# Altium PCB miniBackplane.PcbDoc (part 23 of 24)
Units mil, origin at the board's own origin, x right, y up, seen from the top; angles counter-clockwise.
Board outline 17285.63 x 8582.68 mil, 6 copper layers (Top Layer, Mid-Layer 1, GND, PWR, Mid-Layer 2, Bottom Layer), stack 62.362 mil thick; 519 components, 474 nets, 2434 pads, 1493 vias.
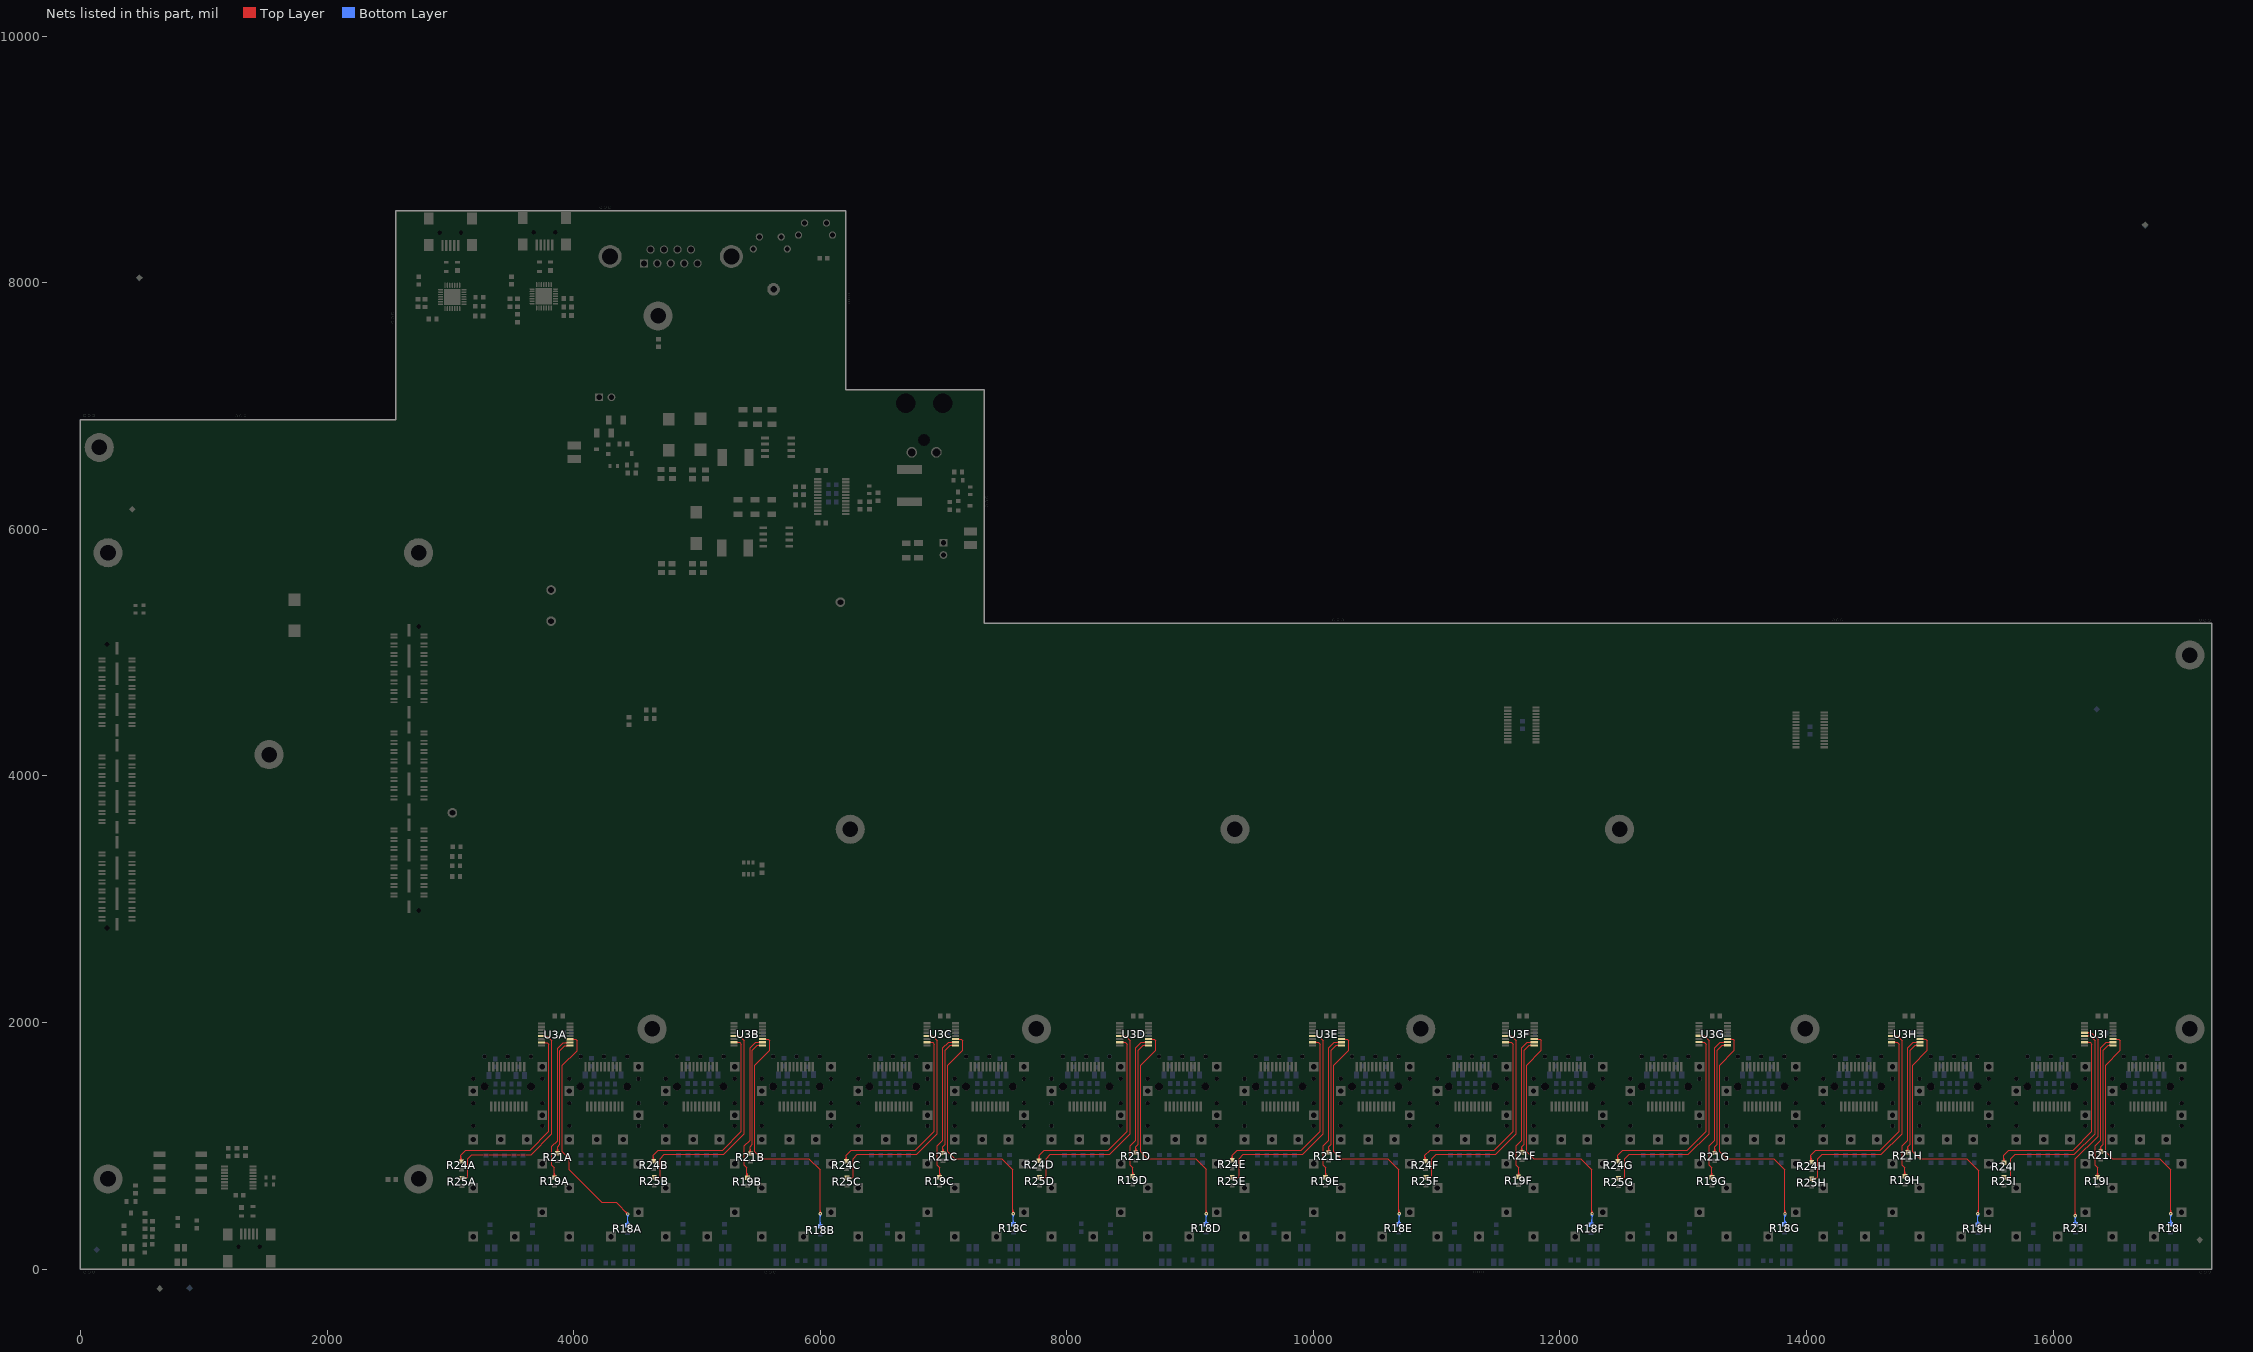
[diagram p27: the nets of this part, all layers, seen from the top]

## Via types
v1: diameter 27.56, hole 11.81, Top Layer to Bottom Layer, tented both sides, 1347 vias
v2: diameter 23.62, hole 11.81, Top Layer to Bottom Layer, tented both sides, 146 vias

## Nets (pads, with @x,y where several pads share a name; then routed paths per layer and width w, separated by ;. In a path a pad name is that pad's centre, name@x,y a point inside that pad or via, vN(x,y) a via of type N, cw(c..) or ccw(c..) an arc to the next point about the centre after c; other vN are vias at no path point) (continued)
WR_LINK0_LED_LINKI: R23I.1 U3I.4 | length 1983.8
  Top Layer w7.87: v1@16180.69,437.01 16180.69,893.62 16365.69,1078.62 16365.69,1863.62 16310.69,1918.62 U3I.4@16265.69,1918.62 ; 16180.69,456.83 ccw(c16204.45,456.83) 16187.65,440.03 cw(c16204.45,456.83) 16180.69,456.83 ; 16180.69,456.83 cw(c16156.93,456.83) 16173.73,440.03 ccw(c16156.93,456.83) 16180.69,456.83 ; U3I.4@16277.72,1912.94 cw(c16291.44,1899.21) 16291.44,1918.62 ccw(c16291.44,1899.21) U3I.4@16277.72,1912.94
  Bottom Layer w7.87: R23I.1@16180.69,359.57 v1(16180.69,433.07) ; 16180.69,409.31 ccw(c16156.93,409.31) 16173.73,426.11 cw(c16156.93,409.31) 16180.69,409.31 ; 16180.69,409.31 cw(c16204.45,409.31) 16187.65,426.11 ccw(c16204.45,409.31) 16180.69,409.31 ; R23I.1@16170.43,371.96 ccw(c16145.65,396.73) 16180.69,396.73 cw(c16145.65,396.73) R23I.1@16170.43,371.96 ; 16180.69,394.22 ccw(c16212.19,394.22) 16189.92,371.96 cw(c16212.19,394.22) 16180.69,394.22
WR_LINK0_LED_SYNCEDA: R24A.1 U3A.7 | length 1791.3
  Top Layer w7.87: R24A.1@3084.67,868.46 3084.67,922.84 3125.72,963.9 3646.61,963.9 3799.67,1116.96 3799.67,1821.96 3784.67,1836.96 U3A.7@3754.67,1836.96 ; R24A.1@3078.85,882.11 ccw(c3064.82,896.14) 3084.67,896.14 cw(c3064.82,896.14) R24A.1@3078.85,882.11 ; 3084.67,896.11 ccw(c3112.34,896.11) 3092.77,876.54 cw(c3112.34,896.11) 3084.67,896.11 ; 3084.67,915.11 ccw(c3131.35,915.11) 3098.34,882.11 cw(c3131.35,915.11) 3084.67,915.11 ; U3A.7@3761.69,1834.5 cw(c3767.62,1828.57) 3767.62,1836.96 ccw(c3767.62,1828.57) U3A.7@3761.69,1834.5 ; U3A.7@3761.69,1841.46 ccw(c3772.56,1852.34) 3772.56,1836.96 cw(c3772.56,1852.34) U3A.7@3761.69,1841.46
WR_LINK0_LED_SYNCEDB: R24B.1 U3B.7 | length 1780.5
  Top Layer w7.87: R24B.1@4646.13,870.11 4646.13,924.5 4687.18,965.55 5208.06,965.55 5361.13,1118.61 5361.13,1823.61 5346.13,1838.61 U3B.7@5316.13,1838.61 ; R24B.1@4638.3,883.76 ccw(c4619.42,902.64) 4646.13,902.64 cw(c4619.42,902.64) R24B.1@4638.3,883.76 ; 4646.13,892.91 ccw(c4666.94,892.91) 4652.22,878.19 cw(c4666.94,892.91) 4646.13,892.91 ; 4646.13,911.92 ccw(c4685.95,911.92) 4657.79,883.76 cw(c4685.95,911.92) 4646.13,911.92 ; U3B.7@5323.15,1836.16 cw(c5329.08,1830.23) 5329.08,1838.61 ccw(c5329.08,1830.23) U3B.7@5323.15,1836.16 ; U3B.7@5323.15,1843.12 ccw(c5334.02,1853.99) 5334.02,1838.61 cw(c5334.02,1853.99) U3B.7@5323.15,1843.12
WR_LINK0_LED_SYNCEDC: R24C.1 U3C.7 | length 1747.8
  Top Layer w7.87: R24C.1@6211.13,870.12 6211.13,924.5 6252.18,965.56 6773.06,965.56 6926.13,1118.62 6926.13,1823.62 6911.13,1838.62 U3C.7@6881.13,1838.62 ; R24C.1@6201.3,883.77 ccw(c6177.56,907.5) 6211.13,907.5 cw(c6177.56,907.5) R24C.1@6201.3,883.77 ; 6211.13,907.08 ccw(c6244.1,907.08) 6220.78,883.77 cw(c6244.1,907.08) 6211.13,907.08 ; U3C.7@6888.15,1836.17 cw(c6894.08,1830.24) 6894.08,1838.62 ccw(c6894.08,1830.24) U3C.7@6888.15,1836.17 ; U3C.7@6888.15,1843.13 ccw(c6899.02,1854) 6899.02,1838.62 cw(c6899.02,1854) U3C.7@6888.15,1843.13
WR_LINK0_LED_SYNCEDD: R24D.1 U3D.7 | length 1747.8
  Top Layer w7.87: R24D.1@7776.13,870.12 7776.13,924.5 7817.18,965.56 8338.06,965.56 8491.13,1118.62 8491.13,1823.62 8476.13,1838.62 U3D.7@8446.13,1838.62 ; R24D.1@7766.26,887.7 ccw(c7742.43,911.53) 7776.13,911.53 cw(c7742.43,911.53) R24D.1@7766.26,887.7 ; 7776.13,910.92 ccw(c7808.96,910.92) 7785.74,887.7 cw(c7808.96,910.92) 7776.13,910.92 ; U3D.7@8453.15,1836.17 cw(c8459.08,1830.24) 8459.08,1838.62 ccw(c8459.08,1830.24) U3D.7@8453.15,1836.17 ; U3D.7@8453.15,1843.13 ccw(c8464.02,1854) 8464.02,1838.62 cw(c8464.02,1854) U3D.7@8453.15,1843.13
WR_LINK0_LED_SYNCEDE: R24E.1 U3E.7 | length 1747.8
  Top Layer w7.87: R24E.1@9341.13,870.12 9341.13,924.5 9382.18,965.56 9903.06,965.56 10056.13,1118.62 10056.13,1823.62 10041.13,1838.62 U3E.7@10011.13,1838.62 ; R24E.1@9331.22,891.64 ccw(c9307.29,915.56) 9341.13,915.56 cw(c9307.29,915.56) R24E.1@9331.22,891.64 ; 9341.13,914.77 ccw(c9373.83,914.77) 9350.7,891.64 cw(c9373.83,914.77) 9341.13,914.77 ; U3E.7@10018.15,1836.17 cw(c10024.08,1830.24) 10024.08,1838.62 ccw(c10024.08,1830.24) U3E.7@10018.15,1836.17 ; U3E.7@10018.15,1843.13 ccw(c10029.02,1854) 10029.02,1838.62 cw(c10029.02,1854) U3E.7@10018.15,1843.13
WR_LINK0_LED_SYNCEDF: R24F.1 U3F.7 | length 1779.7
  Top Layer w7.87: R24F.1@10905.69,870.12 10905.69,924.5 10946.75,965.56 11467.63,965.56 11620.69,1118.62 11620.69,1823.62 11605.69,1838.62 U3F.7@11575.69,1838.62 ; R24F.1@10897.71,883.77 ccw(c10878.45,903.03) 10905.69,903.03 cw(c10878.45,903.03) R24F.1@10897.71,883.77 ; 10905.69,892.54 ccw(c10925.97,892.54) 10911.63,878.2 cw(c10925.97,892.54) 10905.69,892.54 ; 10905.69,911.55 ccw(c10944.98,911.55) 10917.2,883.77 cw(c10944.98,911.55) 10905.69,911.55 ; U3F.7@11582.72,1836.17 cw(c11588.65,1830.24) 11588.65,1838.62 ccw(c11588.65,1830.24) U3F.7@11582.72,1836.17 ; U3F.7@11582.72,1843.13 ccw(c11593.59,1854) 11593.59,1838.62 cw(c11593.59,1854) U3F.7@11582.72,1843.13
WR_LINK0_LED_SYNCEDG: R24G.1 U3G.7 | length 1752.5
  Top Layer w7.87: R24G.1@12470.69,870.12 12470.69,924.5 12511.75,965.56 13032.63,965.56 13185.69,1118.62 13185.69,1823.62 13170.69,1838.62 U3G.7@13140.69,1838.62 ; U3G.7@13151.83,1839.01 cw(c13156.05,1836.48) 13158.51,1840.74 ; R24G.1@12460.71,883.77 ccw(c12436.59,907.88) 12470.69,907.88 cw(c12436.59,907.88) R24G.1@12460.71,883.77 ; 12470.69,906.7 ccw(c12503.13,906.7) 12480.19,883.77 cw(c12503.13,906.7) 12470.69,906.7 ; U3G.7@13151.09,1845.02 ccw(c13166.55,1860.48) 13166.55,1838.62 cw(c13166.55,1860.48) U3G.7@13151.09,1845.02
WR_LINK0_LED_SYNCEDH: R24H.1 U3H.7 | length 1800.4
  Top Layer w7.87: R24H.1@14035.69,870.12 14035.69,924.5 14076.75,965.56 14597.63,965.56 14750.69,1118.62 14750.69,1823.62 14735.69,1838.62 U3H.7@14705.69,1838.62 ; R24H.1@14031.57,875.89 ccw(c14021.62,885.84) 14035.69,885.84 cw(c14021.62,885.84) R24H.1@14031.57,875.89 ; 14035.69,893.98 ccw(c14069.15,893.98) 14045.49,870.33 cw(c14069.15,893.98) 14035.69,893.98 ; 14035.69,912.99 ccw(c14088.15,912.99) 14051.06,875.89 cw(c14088.15,912.99) 14035.69,912.99 ; U3H.7@14712.72,1836.17 cw(c14718.65,1830.24) 14718.65,1838.62 ccw(c14718.65,1830.24) U3H.7@14712.72,1836.17 ; U3H.7@14712.72,1843.13 ccw(c14723.59,1854) 14723.59,1838.62 cw(c14723.59,1854) U3H.7@14712.72,1843.13
WR_LINK0_LED_SYNCEDI: R24I.1 U3I.7 | length 1747.8
  Top Layer w7.87: R24I.1@15600.69,870.12 15600.69,924.5 15641.75,965.56 16162.63,965.56 16315.69,1118.62 16315.69,1823.62 16300.69,1838.62 U3I.7@16270.69,1838.62 ; R24I.1@15591.69,871.96 ccw(c15569.95,893.69) 15600.69,893.69 cw(c15569.95,893.69) R24I.1@15591.69,871.96 ; 15600.69,897.27 ccw(c15636.49,897.27) 15611.18,871.96 cw(c15636.49,897.27) 15600.69,897.27 ; U3I.7@16277.72,1836.17 cw(c16283.65,1830.24) 16283.65,1838.62 ccw(c16283.65,1830.24) U3I.7@16277.72,1836.17 ; U3I.7@16277.72,1843.13 ccw(c16288.59,1854) 16288.59,1838.62 cw(c16288.59,1854) U3I.7@16277.72,1843.13
WR_LINK0_LED_WRMODEA: R25A.1 U3A.5 | length 1949.4
  Top Layer w7.87: R25A.1@3085.35,735.87 3127.69,735.87 ; U3A.5@3738.53,1889.17 3787.46,1889.17 ; 3789.67,1886.96 3824.67,1851.96 3824.67,1096.96 3656.61,928.9 3175.72,928.9 3140.72,893.9 3140.72,748.9 3127.69,735.87 ; 3127.69,735.87 cw(c3127.69,759.98) 3107.83,746.31 ccw(c3127.69,759.98) 3127.69,735.87 ; 3770.09,1889.17 ccw(c3770.09,1877.28) 3761.69,1885.69 cw(c3770.09,1877.28) 3770.09,1889.17 ; 3770.09,1889.17 cw(c3770.09,1901.05) 3761.69,1892.65 ccw(c3770.09,1901.05) 3770.09,1889.17 ; R25A.1@3106.22,728.76 cw(c3123.37,711.61) 3123.37,735.87 ccw(c3123.37,711.61) R25A.1@3106.22,728.76
WR_LINK0_LED_WRMODEB: R25B.1 U3B.5 | length 1970.6
  Top Layer w7.87: R25B.1@4646.81,737.52 4689.15,737.52 ; U3B.5@5299.98,1890.82 5348.92,1890.82 ; 5351.13,1888.61 5386.13,1853.61 5386.13,1098.61 5218.06,930.55 4737.18,930.55 4702.18,895.55 4702.18,750.55 4689.15,737.52 ; 4689.15,737.52 cw(c4689.15,761.04) 4668.2,750.35 ccw(c4689.15,761.04) 4689.15,737.52 ; 5331.55,1890.82 ccw(c5331.55,1878.94) 5323.15,1887.34 cw(c5331.55,1878.94) 5331.55,1890.82 ; 5331.55,1890.82 cw(c5331.55,1902.7) 5323.15,1894.3 ccw(c5331.55,1902.7) 5331.55,1890.82 ; R25B.1@4661.18,746.78 ccw(c4676.29,754.48) 4676.29,737.52 cw(c4676.29,754.48) R25B.1@4661.18,746.78 ; R25B.1@4665.66,734.35 cw(c4673.31,726.7) 4673.31,737.52 ccw(c4673.31,726.7) R25B.1@4665.66,734.35
WR_LINK0_LED_WRMODEC: R25C.1 U3C.5 | length 1990.4
  Top Layer w7.87: R25C.1@6211.81,737.53 6254.15,737.53 ; U3C.5@6864.98,1890.83 6913.92,1890.83 ; 6916.13,1888.62 6951.13,1853.62 6951.13,1098.62 6783.06,930.56 6302.18,930.56 6267.18,895.56 6267.18,750.56 6254.15,737.53 ; 6254.15,737.53 cw(c6254.15,769.77) 6229.46,749.03 ccw(c6254.15,769.77) 6254.15,737.53 ; 6896.55,1890.83 ccw(c6896.55,1878.95) 6888.15,1887.35 cw(c6896.55,1878.95) 6896.55,1890.83 ; 6896.55,1890.83 cw(c6896.55,1902.71) 6888.15,1894.31 ccw(c6896.55,1902.71) 6896.55,1890.83 ; R25C.1@6223.43,743.96 ccw(c6237.25,755.57) 6237.25,737.53 cw(c6237.25,755.57) R25C.1@6223.43,743.96 ; R25C.1@6228.66,730.42 cw(c6245.81,713.27) 6245.81,737.53 ccw(c6245.81,713.27) R25C.1@6228.66,730.42
WR_LINK0_LED_WRMODED: R25D.1 U3D.5 | length 1985
  Top Layer w7.87: R25D.1@7776.81,737.53 7819.15,737.53 ; U3D.5@8429.98,1890.83 8478.92,1890.83 ; 8481.13,1888.62 8516.13,1853.62 8516.13,1098.62 8348.06,930.56 7867.18,930.56 7832.18,895.56 7832.18,750.56 7819.15,737.53 ; 7819.15,737.53 cw(c7819.15,768) 7793.5,751.54 ccw(c7819.15,768) 7819.15,737.53 ; 8461.55,1890.83 ccw(c8461.55,1878.95) 8453.15,1887.35 cw(c8461.55,1878.95) 8461.55,1890.83 ; 8461.55,1890.83 cw(c8461.55,1902.71) 8453.15,1894.31 ccw(c8461.55,1902.71) 8461.55,1890.83 ; R25D.1@7786.88,747.29 ccw(c7804.74,758.75) 7804.74,737.53 cw(c7804.74,758.75) R25D.1@7786.88,747.29 ; R25D.1@7791.65,734.36 cw(c7799.3,726.71) 7799.3,737.53 ccw(c7799.3,726.71) R25D.1@7791.65,734.36
WR_LINK0_LED_WRMODEE: R25E.1 U3E.5 | length 1992.1
  Top Layer w7.87: R25E.1@9341.81,737.53 9384.15,737.53 ; U3E.5@9994.98,1890.83 10043.92,1890.83 ; 10046.13,1888.62 10081.13,1853.62 10081.13,1098.62 9913.06,930.56 9432.18,930.56 9397.18,895.56 9397.18,750.56 9384.15,737.53 ; 9384.15,737.53 cw(c9384.15,771.77) 9356.16,752.04 ccw(c9384.15,771.77) 9384.15,737.53 ; 10026.55,1890.83 ccw(c10026.55,1878.95) 10018.15,1887.35 cw(c10026.55,1878.95) 10026.55,1890.83 ; 10026.55,1890.83 cw(c10026.55,1902.71) 10018.15,1894.31 ccw(c10026.55,1902.71) 10026.55,1890.83 ; R25E.1@9349.72,747.5 ccw(c9368.96,761.07) 9368.96,737.53 cw(c9368.96,761.07) R25E.1@9349.72,747.5 ; R25E.1@9354.64,734.36 cw(c9362.29,726.71) 9362.29,737.53 ccw(c9362.29,726.71) R25E.1@9354.64,734.36
WR_LINK0_LED_WRMODEF: R25F.1 U3F.5 | length 1971.1
  Top Layer w7.87: R25F.1@10906.38,737.53 10948.72,737.53 ; U3F.5@11559.55,1890.83 11608.49,1890.83 ; 11610.69,1888.62 11645.69,1853.62 11645.69,1098.62 11477.63,930.56 10996.75,930.56 10961.75,895.56 10961.75,750.56 10948.72,737.53 ; 10948.71,737.53 cw(c10948.71,761.3) 10927.58,750.41 ccw(c10948.71,761.3) 10948.71,737.53 ; 11591.12,1890.83 ccw(c11591.12,1878.95) 11582.72,1887.35 cw(c11591.12,1878.95) 11591.12,1890.83 ; 11591.12,1890.83 cw(c11591.12,1902.71) 11582.72,1894.31 ccw(c11591.12,1902.71) 11591.12,1890.83 ; R25F.1@10920.58,746.81 ccw(c10935.8,754.65) 10935.8,737.53 cw(c10935.8,754.65) R25F.1@10920.58,746.81 ; R25F.1@10925.07,734.36 cw(c10932.72,726.71) 10932.72,737.53 ccw(c10932.72,726.71) R25F.1@10925.07,734.36
WR_LINK0_LED_WRMODEG: R25G.1 U3G.5 | length 1958.2
  Top Layer w7.87: R25G.1@12471.38,737.53 12513.72,737.53 ; U3G.5@13124.55,1890.83 13173.49,1890.83 ; 13175.69,1888.62 13210.69,1853.62 13210.69,1098.62 13042.63,930.56 12561.75,930.56 12526.75,895.56 12526.75,750.56 12513.72,737.53 ; 12513.71,737.53 ccw(c12513.71,702.23) 12488.26,726.68 cw(c12513.71,702.23) 12513.71,737.53 ; R25G.1@12488.07,745.97 ccw(c12508.45,766.36) 12508.45,737.53 cw(c12508.45,766.36) R25G.1@12488.07,745.97 ; U3G.5@13151.09,1896.2 ccw(c13164.08,1909.19) 13164.08,1890.83 cw(c13164.08,1909.19) U3G.5@13151.09,1896.2
WR_LINK0_LED_WRMODEH: R25H.1 U3H.5 | length 1975.8
  Top Layer w7.87: R25H.1@14036.38,737.53 14078.72,737.53 ; U3H.5@14689.55,1890.83 14738.49,1890.83 ; 14740.69,1888.62 14775.69,1853.62 14775.69,1098.62 14607.63,930.56 14126.75,930.56 14091.75,895.56 14091.75,750.56 14078.72,737.53 ; 14078.72,737.53 ccw(c14078.72,712.35) 14057.09,725.24 cw(c14078.72,712.35) 14078.72,737.53 ; 14721.12,1890.83 ccw(c14721.12,1878.95) 14712.72,1887.35 cw(c14721.12,1878.95) 14721.12,1890.83 ; 14721.12,1890.83 cw(c14721.12,1902.71) 14712.72,1894.31 ccw(c14721.12,1902.71) 14721.12,1890.83 ; R25H.1@14050.33,729.27 cw(c14064.86,720.61) 14064.86,737.53 ccw(c14064.86,720.61) R25H.1@14050.33,729.27 ; R25H.1@14055,742.03 ccw(c14065.88,752.92) 14065.88,737.53 cw(c14065.88,752.92) R25H.1@14055,742.03
WR_LINK0_LED_WRMODEI: R25I.1 U3I.5 | length 1988.9
  Top Layer w7.87: R25I.1@15601.38,737.53 15643.72,737.53 ; U3I.5@16254.55,1890.83 16303.49,1890.83 ; 16305.69,1888.62 16340.69,1853.62 16340.69,1098.62 16172.63,930.56 15691.75,930.56 15656.75,895.56 15656.75,750.56 15643.72,737.53 ; 15643.71,737.53 cw(c15643.71,770.04) 15616.78,751.82 ccw(c15643.71,770.04) 15643.71,737.53 ; 16286.12,1890.83 ccw(c16286.12,1878.95) 16277.72,1887.35 cw(c16286.12,1878.95) 16286.12,1890.83 ; 16286.12,1890.83 cw(c16286.12,1902.71) 16277.72,1894.31 ccw(c16286.12,1902.71) 16286.12,1890.83 ; R25I.1@15610.26,747.41 ccw(c15628.88,760.01) 15628.88,737.53 cw(c15628.88,760.01) R25I.1@15610.26,747.41 ; R25I.1@15615.11,734.36 cw(c15622.76,726.71) 15622.76,737.53 ccw(c15622.76,726.71) R25I.1@15615.11,734.36
WR_LINK1_LED_LINKA: R18A.1 U3A.11 | length 2234.8
  Top Layer w7.87: U3A.11@3970.81,1863.57 4018.05,1863.57 4029.67,1851.96 4029.67,1771.96 3909.67,1651.96 3909.67,949.95 3965.72,893.9 3965.72,804.29 4228.05,541.96 4344.12,541.96 v1(4439.67,446.41) ; 4424.19,460.4 cw(c4419.33,442.24) v1@4437.74,446.01 ; 4425.68,461.89 ccw(c4443.83,466.75) v1@4440.06,448.34 ; 4002.38,1863.57 ccw(c4002.38,1851.69) 3993.98,1860.09 cw(c4002.38,1851.69) 4002.38,1863.57 ; 4002.38,1863.57 cw(c4002.38,1875.46) 3993.98,1867.05 ccw(c4002.38,1875.46) 4002.38,1863.57 ; 4422.87,463.21 ccw(c4439.67,480.01) 4439.67,456.25 cw(c4439.67,480.01) 4422.87,463.21 ; 4422.87,463.21 cw(c4406.06,446.41) 4429.83,446.41 ccw(c4406.06,446.41) 4422.87,463.21
  Bottom Layer w7.87: R18A.1@4439.67,357.91 v1(4439.67,446.41) v1@4444.67,451.41 ; 4439.67,422.65 ccw(c4415.91,422.65) 4432.71,439.45 cw(c4415.91,422.65) 4439.67,422.65 ; 4439.67,422.65 cw(c4463.43,422.65) 4446.63,439.45 ccw(c4463.43,422.65) 4439.67,422.65 ; R18A.1@4429.25,366.36 ccw(c4404.09,391.52) 4439.67,391.52 cw(c4404.09,391.52) R18A.1@4429.25,366.36 ; 4439.67,388.25 ccw(c4470.62,388.25) 4448.74,366.36 cw(c4470.62,388.25) 4439.67,388.25
WR_LINK1_LED_LINKB: R18B.1 U3B.11 | length 2351
  Top Layer w7.87: U3B.11@5532.27,1865.23 5579.51,1865.23 5591.13,1853.61 5591.13,1773.61 5471.13,1653.61 5471.13,951.61 5527.18,895.55 5909.19,895.55 6000,804.74 6000,454.19 v1@6006.13,448.06 ; 5563.83,1865.23 ccw(c5563.83,1853.35) 5555.43,1861.75 cw(c5563.83,1853.35) 5563.83,1865.23 ; 5563.83,1865.23 cw(c5563.83,1877.11) 5555.43,1868.71 ccw(c5563.83,1877.11) 5563.83,1865.23 ; v1@5994.17,455.02 ccw(c5980.08,469.11) 6000,469.11 cw(c5980.08,469.11) v1@5994.17,455.02 ; 6000,474.54 ccw(c6027.61,474.54) 6008.09,455.02 cw(c6027.61,474.54) 6000,474.54
  Bottom Layer w7.87: R18B.1@6001.13,359.56 v1(6001.13,448.06) v1@6006.13,453.06 ; 6001.13,424.3 ccw(c5977.36,424.3) 5994.17,441.1 cw(c5977.36,424.3) 6001.13,424.3 ; 6001.13,424.3 cw(c6024.89,424.3) 6008.09,441.1 ccw(c6024.89,424.3) 6001.13,424.3 ; R18B.1@5990.67,356.2 ccw(c5965.41,381.45) 6001.13,381.45 cw(c5965.41,381.45) R18B.1@5990.67,356.2 ; 6001.13,377.99 ccw(c6031.95,377.99) 6010.15,356.2 cw(c6031.95,377.99) 6001.13,377.99
WR_LINK1_LED_LINKC: R18C.1 U3C.11 | length 2351
  Top Layer w7.87: U3C.11@7097.27,1865.24 7144.51,1865.24 7156.13,1853.62 7156.13,1773.62 7036.13,1653.62 7036.13,951.61 7092.18,895.56 7474.19,895.56 7562.99,806.76 7562.99,456.2 v1@7571.13,448.07 ; 7128.83,1865.24 ccw(c7128.83,1853.36) 7120.43,1861.76 cw(c7128.83,1853.36) 7128.83,1865.24 ; 7128.83,1865.24 cw(c7128.83,1877.12) 7120.43,1868.72 ccw(c7128.83,1877.12) 7128.83,1865.24 ; v1@7559.17,455.03 ccw(c7549.93,464.27) 7562.99,464.27 cw(c7549.93,464.27) v1@7559.17,455.03 ; 7562.99,479.4 ccw(c7597.45,479.4) 7573.09,455.03 cw(c7597.45,479.4) 7562.99,479.4
  Bottom Layer w7.87: R18C.1@7566.13,359.57 v1(7566.13,448.07) v1@7571.13,453.07 ; 7566.13,424.31 ccw(c7542.36,424.31) 7559.17,441.11 cw(c7542.36,424.31) 7566.13,424.31 ; 7566.13,424.31 cw(c7589.89,424.31) 7573.09,441.11 ccw(c7589.89,424.31) 7566.13,424.31 ; R18C.1@7555.63,371.96 ccw(c7530.28,397.3) 7566.13,397.3 cw(c7530.28,397.3) R18C.1@7555.63,371.96 ; 7566.13,393.65 ccw(c7596.81,393.65) 7575.11,371.96 cw(c7596.81,393.65) 7566.13,393.65
WR_LINK1_LED_LINKD: R18D.1 U3D.11 | length 2366.9
  Top Layer w7.87: U3D.11@8662.27,1865.24 8709.51,1865.24 8721.13,1853.62 8721.13,1773.62 8601.13,1653.62 8601.13,951.61 8657.18,895.56 9045.39,895.56 9131.13,809.82 v1(9131.13,448.07) ; v1@9125.98,455.02 v1@9136.13,444.88 ; 8693.83,1865.24 ccw(c8693.83,1853.36) 8685.43,1861.76 cw(c8693.83,1853.36) 8693.83,1865.24 ; 8693.83,1865.24 cw(c8693.83,1877.12) 8685.43,1868.72 ccw(c8693.83,1877.12) 8693.83,1865.24 ; 9131.13,471.83 ccw(c9154.89,471.83) 9138.09,455.03 cw(c9154.89,471.83) 9131.13,471.83 ; 9131.13,471.83 cw(c9107.36,471.83) 9124.17,455.03 ccw(c9107.36,471.83) 9131.13,471.83
  Bottom Layer w7.87: R18D.1@9131.13,359.57 v1(9131.13,448.07) v1@9136.13,453.07 ; 9131.13,424.31 ccw(c9107.36,424.31) 9124.17,441.11 cw(c9107.36,424.31) 9131.13,424.31 ; 9131.13,424.31 cw(c9154.89,424.31) 9138.09,441.11 ccw(c9154.89,424.31) 9131.13,424.31 ; R18D.1@9120.59,371.96 ccw(c9095.14,397.4) 9131.13,397.4 cw(c9095.14,397.4) R18D.1@9120.59,371.96 ; 9131.13,393.56 ccw(c9161.68,393.56) 9140.07,371.96 cw(c9161.68,393.56) 9131.13,393.56
WR_LINK1_LED_LINKE: R18E.1 U3E.11 | length 2350.3
  Top Layer w7.87: U3E.11@10227.27,1865.24 10274.51,1865.24 10286.13,1853.62 10286.13,1773.62 10166.13,1653.62 10166.13,951.61 10222.18,895.56 10604.19,895.56 10692.91,806.83 10692.91,457.03 v1@10701.13,448.82 ; 10258.83,1865.24 ccw(c10258.83,1853.36) 10250.43,1861.76 cw(c10258.83,1853.36) 10258.83,1865.24 ; 10258.83,1865.24 cw(c10258.83,1877.12) 10250.43,1868.72 ccw(c10258.83,1877.12) 10258.83,1865.24 ; v1@10689.17,455.03 ccw(c10680.12,464.08) 10692.91,464.08 cw(c10680.12,464.08) v1@10689.17,455.03 ; 10692.91,479.59 ccw(c10727.64,479.59) 10703.09,455.03 cw(c10727.64,479.59) 10692.91,479.59
  Bottom Layer w7.87: R18E.1@10696.13,359.57 v1(10696.13,448.07) v1@10701.13,453.07 ; 10696.13,424.31 ccw(c10672.36,424.31) 10689.17,441.11 cw(c10672.36,424.31) 10696.13,424.31 ; 10696.13,424.31 cw(c10719.89,424.31) 10703.09,441.11 ccw(c10719.89,424.31) 10696.13,424.31 ; R18E.1@10685.55,371.96 ccw(c10660.01,397.49) 10696.13,397.49 cw(c10660.01,397.49) R18E.1@10685.55,371.96 ; 10696.13,393.46 ccw(c10726.54,393.46) 10705.03,371.96 cw(c10726.54,393.46) 10696.13,393.46
WR_LINK1_LED_LINKF: R18F.1 U3F.11 | length 2406.7
  Top Layer w7.87: U3F.11@11791.83,1865.24 11839.08,1865.24 11850.69,1853.62 11850.69,1773.62 11730.69,1653.62 11730.69,951.61 11786.75,895.56 12168.76,895.56 12259.84,804.47 12259.84,457.01 v1@12265.69,451.16 ; 11823.4,1865.24 ccw(c11823.4,1853.36) 11815,1861.76 cw(c11823.4,1853.36) 11823.4,1865.24 ; 11823.4,1865.24 cw(c11823.4,1877.12) 11815,1868.72 ccw(c11823.4,1877.12) 11823.4,1865.24 ; v1@12253.73,455.03 ccw(c12238.98,469.78) 12259.84,469.78 cw(c12238.98,469.78) v1@12253.73,455.03 ; 12259.84,473.89 ccw(c12286.51,473.89) 12267.65,455.03 cw(c12286.51,473.89) 12259.84,473.89
  Bottom Layer w7.87: R18F.1@12260.69,359.57 v1(12260.69,448.07) v1@12265.69,453.07 ; 12260.69,424.31 ccw(c12236.93,424.31) 12253.73,441.11 cw(c12236.93,424.31) 12260.69,424.31 ; 12260.69,424.31 cw(c12284.45,424.31) 12267.65,441.11 ccw(c12284.45,424.31) 12260.69,424.31 ; R18F.1@12244.17,368.02 ccw(c12204.28,407.91) 12260.69,407.91 cw(c12204.28,407.91) R18F.1@12244.17,368.02 ; R18F.1@12249.74,362.45 ccw(c12223.29,388.9) 12260.69,388.9 cw(c12223.29,388.9) R18F.1@12249.74,362.45 ; R18F.1@12260.69,375.17 ccw(c12270.81,375.17) 12263.66,368.02 cw(c12270.81,375.17) R18F.1@12260.69,375.17
WR_LINK1_LED_LINKG: R18G.1 U3G.11 | length 2342.5